# Altium PCB drive.PcbDoc
Units mm, origin at the board's own origin, x right, y up, seen from the top; angles counter-clockwise.
Board outline 29.8 x 29.12 mm, 2 copper layers (Top Layer, Bottom Layer); 65 components, 58 nets, 255 pads, 112 vias.
Unrouted connection lines stored in the file: 5.
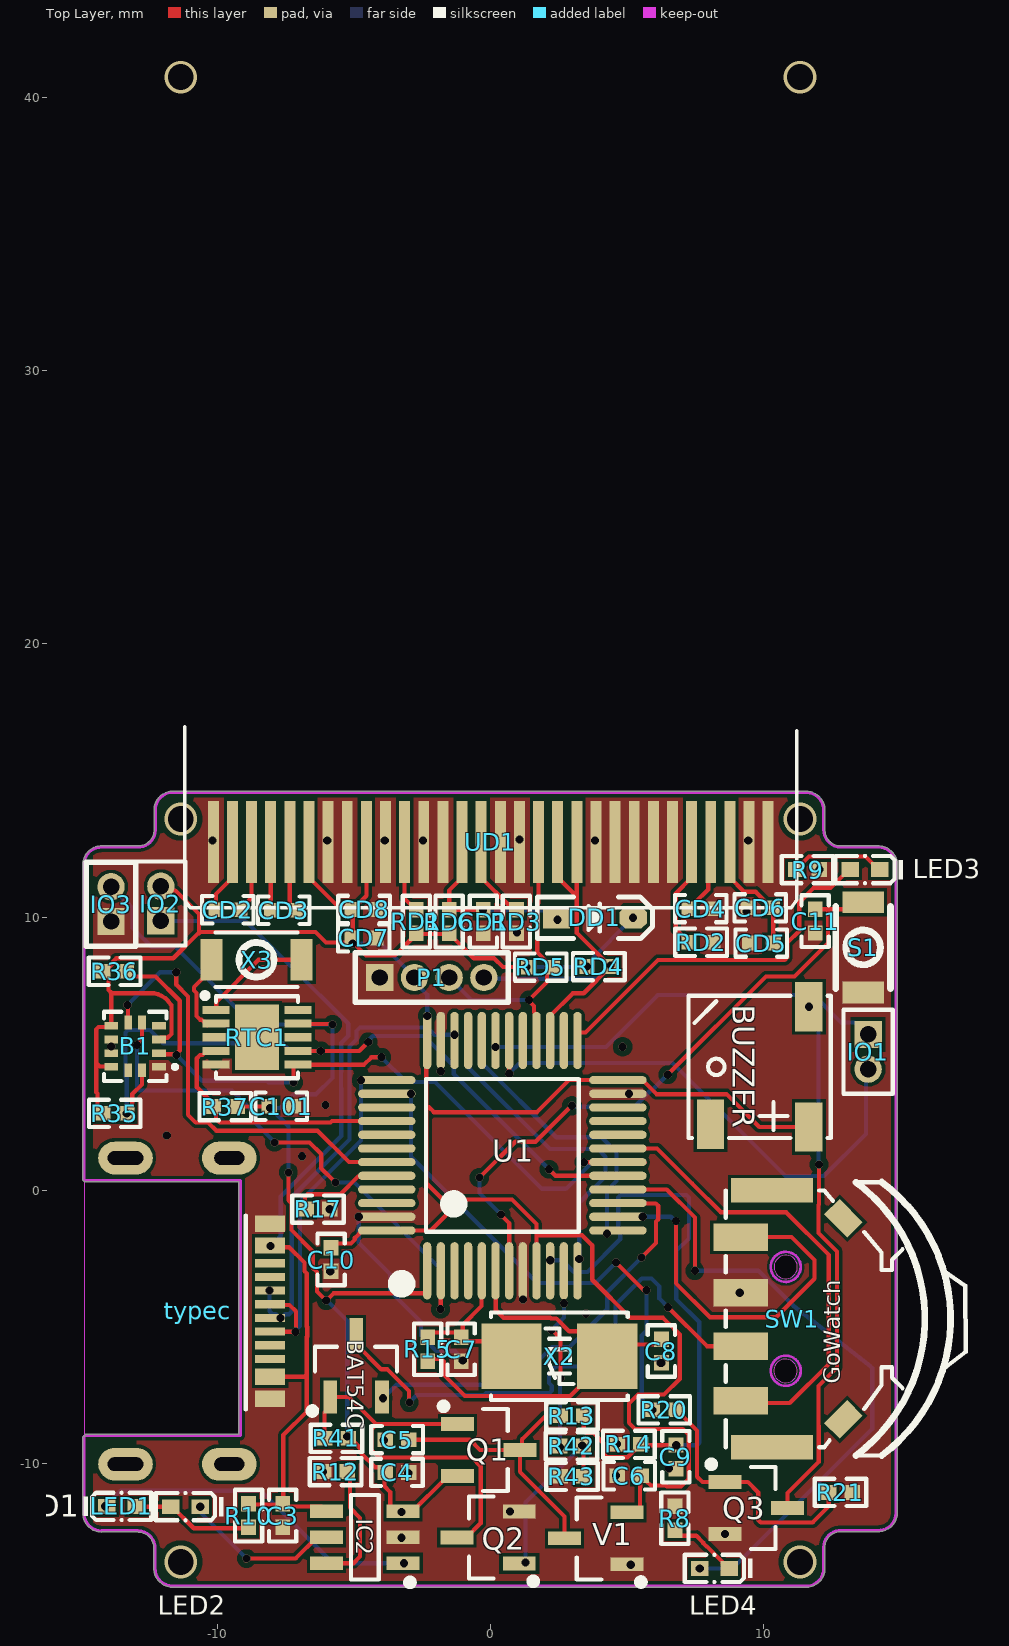
[diagram p0: Top Layer view]
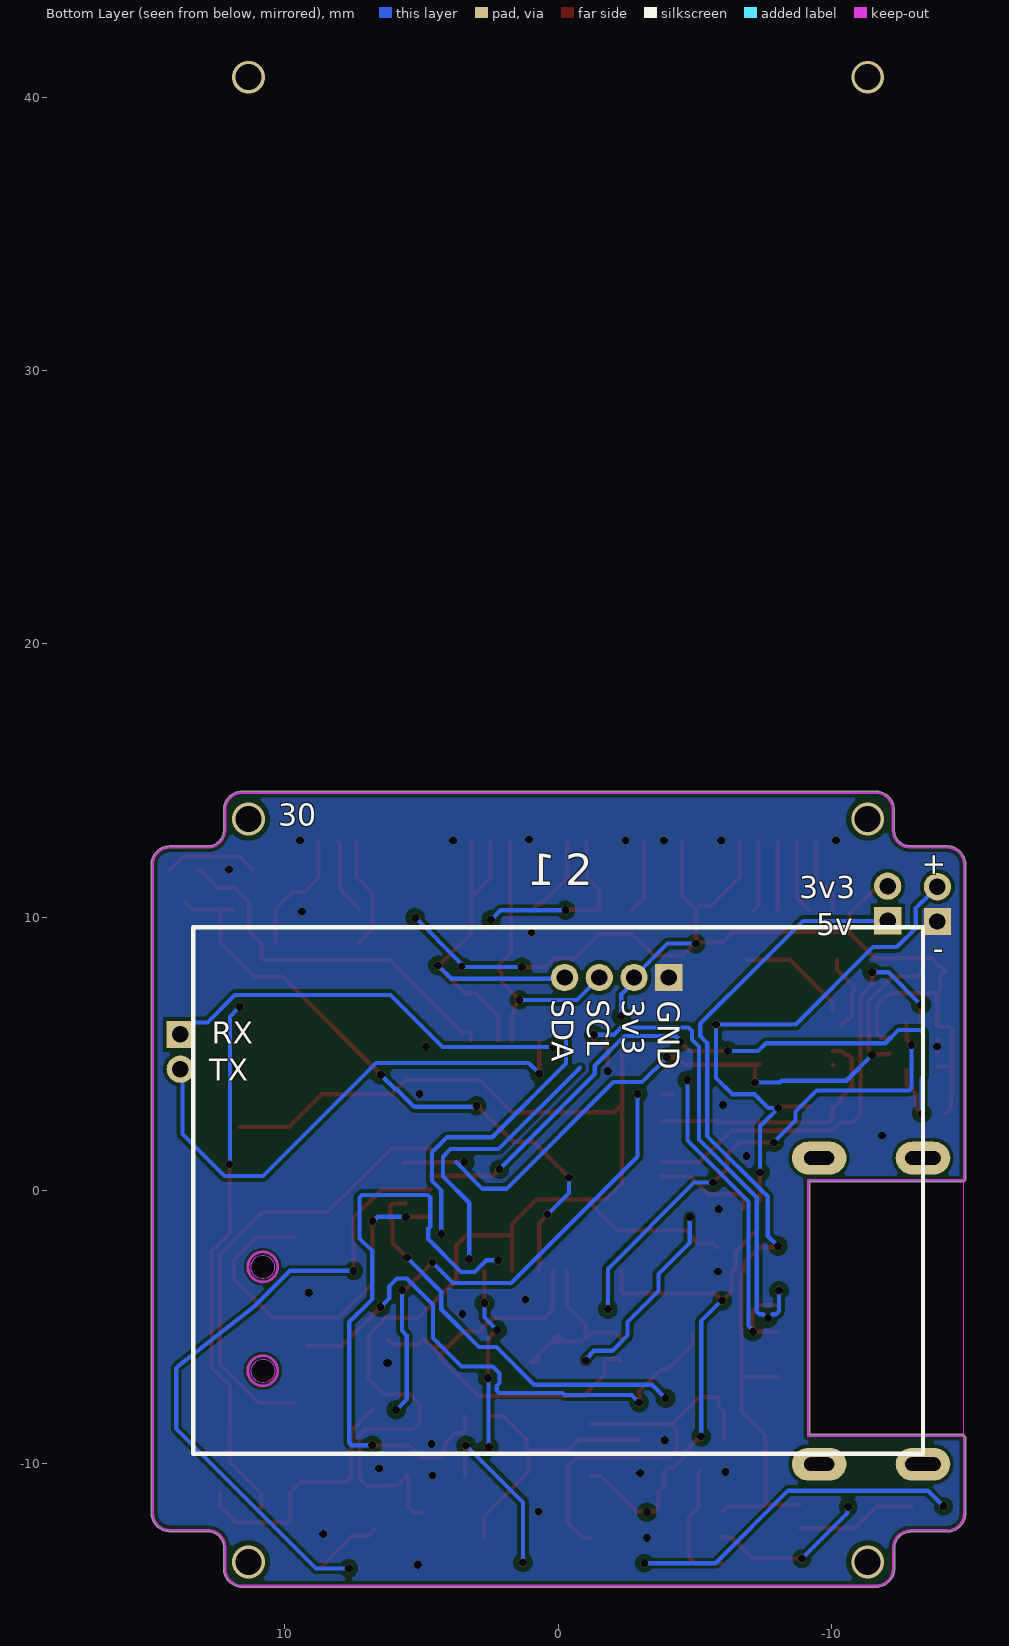
[diagram p1: Bottom Layer view, seen from below]

## Layer stack, top to bottom
Top Solder: solder mask 0.0102, Solder Resist, Dk 3.5
Top Layer: signal copper 0.0356
Dielectric 1: dielectric 0.32, FR-4, Dk 4.8
Bottom Layer: signal copper 0.0356
Bottom Solder: solder mask 0.0102, Solder Resist, Dk 3.5

## Board outline
-14.245,-12.497 ccw(c-14.244,-12.446) -14.23,-12.495 ccw(c-14.223,-12.445) -14.223,-12.495 -12.904,-12.495 ccw(c-12.904,-12.445) -12.899,-12.495 ccw(c-12.886,-12.446) -12.887,-12.497 cw(c-12.901,-13.081) -12.316,-13.081 cw(c-12.883,-13.082) -12.316,-13.095 ccw(c-12.266,-13.096) -12.314,-13.11 -12.314,-13.807 ccw(c-12.265,-13.814) -12.315,-13.813 ccw(c-11.63,-13.829) -11.655,-14.514 ccw(c-11.644,-14.465) -11.644,-14.515 11.524,-14.515 ccw(c11.537,-14.466) 11.536,-14.517 ccw(c11.552,-13.831) 12.237,-13.848 ccw(c12.177,-13.846) 12.237,-13.846 ccw(c12.187,-13.846) 12.236,-13.833 ccw(c12.186,-13.825) 12.236,-13.825 12.236,-13.069 ccw(c12.186,-13.069) 12.234,-13.054 cw(c12.819,-13.068) 12.807,-12.483 ccw(c12.82,-12.435) 12.82,-12.485 14.219,-12.485 ccw(c14.219,-12.435) 14.235,-12.483 ccw(c14.198,-11.798) 14.882,-11.835 ccw(c14.834,-11.819) 14.885,-11.819 14.885,11.897 ccw(c14.835,11.904) 14.885,11.903 ccw(c14.205,11.919) 14.885,11.919 ccw(c14.2,11.919) 14.227,12.604 ccw(c14.215,12.555) 14.215,12.606 12.806,12.606 ccw(c12.806,12.555) 12.793,12.604 cw(c12.822,13.188) 12.237,13.202 ccw(c12.177,13.203) 12.237,13.203 ccw(c12.187,13.203) 12.237,13.211 12.237,13.925 ccw(c12.186,13.925) 12.236,13.934 ccw(c11.55,13.92) 11.566,14.605 ccw(c11.565,14.553) 11.563,14.605 ccw(c11.556,14.555) 11.556,14.606 -11.604,14.606 cw(c-11.603,14.603) -11.603,14.606 -11.604,14.606 ccw(c-11.619,13.92) -12.304,13.936 ccw(c-12.254,13.935) -12.304,13.93 ccw(c-12.254,13.925) -12.304,13.925 -12.304,13.192 ccw(c-12.254,13.192) -12.303,13.18 ccw(c-12.261,13.177) -12.303,13.178 cw(c-12.888,13.192) -12.902,12.607 ccw(c-12.903,12.557) -12.916,12.606 -14.214,12.606 ccw(c-14.214,12.559) -14.217,12.606 ccw(c-14.229,11.92) -14.914,11.936 ccw(c-14.864,11.935) -14.912,11.919 ccw(c-14.863,11.906) -14.914,11.906 -14.914,0.398 ccw(c-14.863,0.398) -14.878,0.35 ccw(c-14.83,0.365) -14.83,0.315 -9.205,0.315 -9.205,-8.925 -14.795,-8.925 ccw(c-14.795,-8.975) -14.839,-9 ccw(c-14.864,-9.044) -14.914,-9.044 -14.914,-11.796 cw(c-14.319,-11.809) -14.914,-11.795 -14.914,-11.796 ccw(c-14.229,-11.811)
cut-out: -14.837,-8.975 -14.837,0.365 -9.113,0.365 -9.113,-8.975

## Design rules (kind name [scope] priority, off if disabled: settings)
Clearance [All] p1: gap=0.127 ignorepadtopadclearanceinfootprint=FALSE except(0.15: Arc-Arc Arc-Track Track-Track; 0.2: Arc-Via Track-Via SMDPad-Via THPad-Via Via-Fill Via-Poly Via-Region; 0.4: Via-Via)
PolygonConnect [All] p1: connectstyle=Direct reliefconductorwidth=0.254 reliefentries=4 polygonreliefangle="90 Angle" airgapwidth=0.254
RoutingVias [All] p1: holewidth=0.4 width=1 viastyle="Through Hole" minholewidth=0.3 minwidth=0.6 maxholewidth=0.711 maxwidth=1.27
SolderMaskExpansion [All] p1: expansion=0.102 istentingtop=FALSE
Width [All] p1: maxlimit=3 minlimit=0.127 preferedwidth=0.154 minimp=50.000000 maximp=50.000000 favimp=50.000000
30 further rules are at their usual default settings.

## Components (designator, comment, footprint, x,y, rotation, side; value= is the part's Value field where it differs from the comment)
B1 "BMA423" LGA-12(2x2)-2 -12.885,5.402 r90 top locked
BAT54C "BAT54C" SOT23-3N -4.915,-6.418 r0 top
BUZZER "Beep-5020" 5020BUZZER 9.85,4.57 r0 top locked
C3 "105" C0402-min -7.6,-11.95 r90 top
C4 "105" C0402-min -3.365,-10.318 r180 top
C5 "104" C0402-min -3.468,-9.118 r0 top
C6 "104" C0402-min 5.025,-10.438 r0 top
C7 "20PF" C0402-min -1.069,-5.864 r90 top
C8 "20PF" C0402-min 6.255,-5.928 r90 top
C9 "104" C0402-min 6.785,-9.798 r90 top
C10 "104" C0402-min -5.83,-2.58 r90 top
C11 "104" C0402-min 11.88,9.8 r90 top
C101 "104" C0402-min -7.6,3.08 r180 top
CD1 "106" C0402-min -0.26,9.89 r270 top
CD2 "105" C0402-min -9.66,10.27 r0 top locked
CD3 "105" C0402-min -7.613,10.25 r0 top locked
CD4 "225" C0402-min 7.75,10.31 r180 top
CD5 "225" C0402-min 9.86,9.05 r0 top
CD6 "105" C0402-min 9.82,10.34 r0 top
CD7 "105" C0402-min -4.58,9.24 r180 top
CD8 "225" C0402-min -4.571,10.28 r180 top
DD1 "1N4148" SOD-323 3.82,9.98 r0 top
IC2 "TP4057" SOT23-6N -4.595,-12.688 r90 top
IO1 "串口" MHDR1X2 13.817,5.708 r270 top
IO2 "5v与3.3v相联" MHDR1X2 -12.06,9.863 r90 top
IO3 "电池" MHDR1X2 -13.88,9.84 r90 top
LED1 "红色" LED0402 -13.65,-11.56 r180 top locked
LED2 "绿色" LED0402 -11,-11.57 r0 top
LED3 "RED" LED0402 13.86,11.74 r0 top
LED4 "BLUE" LED0402 8.35,-13.83 r0 top
P1 "MHDR1X4" MHDR1X4 -4.05,7.79 r0 top
Q1 "AO3401" SOT23-3N -0.065,-9.498 r270 top
Q2 "9014" SOT23-3N -0.085,-12.698 r90 top
Q3 "SS8050" SOT23-3N 9.73,-11.62 r270 top
R8 "1K" R0402 6.75,-12.045 r90 top
R9 "1K" R0402 11.55,11.74 r0 top
R10 "1K" R0402 -8.85,-11.95 r90 top
R12 "10K" R0402 -5.715,-10.288 r0 top
R13 "10K" R0402 3.035,-8.248 r180 top
R14 "10K" R0402 5.015,-9.288 r0 top
R15 "1M" R0402 -2.295,-5.864 r90 top
R17 "10K" R0402 -6.36,-0.68 r0 top
R20 "1K" R0402 6.305,-8.028 r0 top
R21 "10K" R0402 12.859,-11.05 r180 top
R35 "4.7K" R0402 -13.69,2.82 r180 top
R36 "4.7K" R0402 -13.7,8.02 r180 top
R37 "10K" R0402 -9.65,3.07 r180 top
R41 "220K" R0402 -5.685,-9.068 r0 top
R42 "4.7K" R0402 2.915,-9.348 r0 top
R43 "220K" R0402 3.035,-10.458 r180 top
RD1 "4.7K" R0402 -2.71,9.786 r90 top
RD2 "560K" R0402 7.76,9.08 r180 top
RD3 "4.7K" R0402 0.95,9.89 r270 top
RD4 "4.7K" R0402 3.916,8.19 r0 top
RD5 "4.7K" R0402 1.786,8.17 r0 top
RD6 "4.7K" R0402 -1.51,9.786 r90 top
RTC1 "PCF8563BS" HVSON-10-EP(3x3) -8.765,5.702 r270 top locked
S1 "SW-PB" switch-2x3 13.59,8.91 r270 top
SW1 "TM-2024A" LUNBO-min-out 12.268,-4.5 r270 top locked
typec "typec-16p-new" type-c-16p-new -11.648,-4.542 r270 top locked
U1 "STM32F103C8" "LQFP48 7X7_M" 0.436,1.285 r0 top locked
UD1 "1.3寸OLED，FPC线30pin" 0.96OLED -16.489,11.846 r0 bottom locked
V1 "XC6206P332MR" SOT23-3N 3.855,-12.728 r90 top
X2 "8Mhz" "OSC 5032-2P" 2.525,-6.065 r180 top locked
X3 "32.768KHZ" SMD3215-2P -8.595,8.412 r0 top locked

## Footprints (in the part's own frame and the unit in brackets; to place one, negate y for a bottom-side part, rotate by r counter-clockwise, add the part's x,y. Pads: shape width x height; smd on the part's side, far side on the other; paste and mask are expansions set on the pad)
0.96OLED [mm]
  rect 0.4x3 smd far side: 1(6.35,-0.9) 2(7.05,-0.9) 3(7.75,-0.9) 4(8.45,-0.9) 5(9.15,-0.9) 6(9.85,-0.9) 7(10.55,-0.9) 8(11.25,-0.9) 9(11.95,-0.9) 10(12.65,-0.9) 11(13.35,-0.9) 12(14.05,-0.9) 13(14.75,-0.9) 14(15.45,-0.9) 15(16.15,-0.9) 16(16.85,-0.9) 17(17.55,-0.9) 18(18.25,-0.9) 19(18.95,-0.9) 20(19.65,-0.9) 21(20.35,-0.9) 22(21.05,-0.9) 23(21.75,-0.9) 24(22.45,-0.9) 25(23.15,-0.9) 26(23.85,-0.9) 27(24.55,-0.9) 28(25.25,-0.9) 29(25.95,-0.9) 30(26.65,-0.9)
5020BUZZER [mm]
  rect 1x1.8 smd: 1(1.8,-2.25) 2(1.8,2.152) 3(-1.8,-2.151)
  silkscreen extent -2.6,-2.65 2.6,2.55, body extent -2.6,-2.7 2.6,2.5, height 2
C0402-min [mm]
  rect 0.566x0.54 smd paste-100 mask+0.051: 1(-0.381,0) 2(0.485,0)
  silkscreen extent -0.89,-0.5 1,0.5
HVSON-10-EP(3x3) [mm] "PCF8563BS"
  rect 0.3x1 smd paste+0 mask+0.05: 1(-0.9,-1.273) 2(-0.4,-1.273) 3(0.1,-1.273) 4(0.6,-1.273) 5(1.1,-1.273) 6(1.1,1.727) 7(0.6,1.727) 8(0.1,1.727) 9(-0.4,1.727) 10(-0.9,1.727)
  rect 2.4x1.6 smd paste+0 mask+0.05: 11(0.1,0.227)
  silkscreen extent -1.52,-1.78 1.6,1.73
LED0402 [mm]
  rect 0.636x0.54 smd paste-100 mask+0.051: 1(-0.695,0) 2(0.381,0)
  silkscreen extent -1.24,-0.54 1.23,0.54
LGA-12(2x2)-2 [mm] "BMA423"
  rect 0.28x0.5 smd: 1(-0.881,-0.762) 2(-0.381,-0.762) 3(0.119,-0.762) 4(0.619,-0.762) 7(0.619,0.988) 8(0.119,0.988) 9(-0.381,0.988) 10(-0.881,0.988)
  rect 0.5x0.28 smd: 5(0.744,-0.137) 6(0.744,0.363) 11(-1.006,0.363) 12(-1.006,-0.137)
  silkscreen extent -1.4,-1.42 1.14,1.26
"LQFP48 7X7_M" [mm]
  oval 0.3x2.1 smd: 1(-2.75,-4.227) 2(-2.25,-4.227) 3(-1.75,-4.227) 4(-1.25,-4.227) 5(-0.75,-4.227) 6(-0.25,-4.227) 7(0.25,-4.227) 8(0.75,-4.227) 9(1.25,-4.227) 10(1.75,-4.227) 11(2.25,-4.227) 12(2.75,-4.227) 25(2.75,4.202) 26(2.25,4.202) 27(1.75,4.202) 28(1.25,4.202) 29(0.75,4.202) 30(0.25,4.202) 31(-0.25,4.202) 32(-0.75,4.202) 33(-1.25,4.202) 34(-1.75,4.202) 35(-2.25,4.202) 36(-2.75,4.202)
  oval 2.1x0.3 smd: 13(4.227,-2.75) 14(4.227,-2.25) 15(4.227,-1.75) 16(4.227,-1.25) 17(4.227,-0.75) 18(4.227,-0.25) 19(4.227,0.25) 20(4.227,0.75) 21(4.227,1.25) 22(4.227,1.75) 23(4.227,2.25) 24(4.227,2.75) 37(-4.227,2.75) 38(-4.227,2.25) 39(-4.227,1.75) 40(-4.227,1.25) 41(-4.227,0.75) 42(-4.227,0.25) 43(-4.227,-0.25) 44(-4.227,-0.75) 45(-4.227,-1.25) 46(-4.227,-1.75) 47(-4.227,-2.25) 48(-4.227,-2.75)
  silkscreen extent -3.93,-4.95 2.79,2.79, body extent -4.5,-4.5 4.5,4.5, height 1.45
LUNBO-min-out [mm]
  rect 1x2 smd: 1(-2.788,-3.115) 2(3.197,-3.115) 3(-0.762,-3.115) 4(1.197,-3.115)
  rect 0.9x3 smd: 5(-4.503,-1.964) 6(4.897,-1.964)
  rect 1.2x0.8 smd rot 45: 7(-3.483,0.646)
  rect 1.2x0.8 smd rot 135: 8(3.877,0.646)
  Keep-Out Layer board cut-out: 2.529,-1.44 2.455,-1.23 2.286,-1.086 2.068,-1.045 1.858,-1.119 1.714,-1.288 1.673,-1.507 1.673,-1.507 1.747,-1.717 1.916,-1.861 2.135,-1.902 2.344,-1.827 2.489,-1.658 2.529,-1.44
  Keep-Out Layer board cut-out: -1.274,-1.43 -1.348,-1.22 -1.517,-1.076 -1.736,-1.035 -1.945,-1.109 -2.09,-1.278 -2.13,-1.497 -2.13,-1.497 -2.056,-1.706 -1.887,-1.851 -1.669,-1.891 -1.459,-1.817 -1.315,-1.648 -1.274,-1.43
  Keep-Out Layer circle w0.1: c-1.703,-1.464 r0.55
  Keep-Out Layer circle w0.1: c2.097,-1.464 r0.55
  Keep-Out Layer circle w0.025: c-1.703,-1.464 r0.55
  Keep-Out Layer circle w0.025: c2.097,-1.464 r0.55
  silkscreen extent -4.8,-3.66 5.2,5.12
MHDR1X2 [mm] "Connector; Header; 2 Position"
  rect 1x1 hole 0.6: 1(0,0)
  round 1 hole 0.6: 2(1.27,0)
  silkscreen extent -0.9,-0.9 2.17,0.9
MHDR1X4 [mm] "Connector; Header; 4 Position"
  rect 1x1 hole 0.6: 1(0,0)
  round 1 hole 0.6: 2(1.27,0) 3(2.54,0) 4(3.81,0)
  silkscreen extent -0.9,-0.9 4.71,0.9
"OSC 5032-2P" [mm]
  rect 2.2x2.4 smd: 1(-1.75,0) 2(1.75,0)
  silkscreen extent -2.5,-1.6 2.5,1.6, body extent -2.5,-1.6 2.5,1.6, height 0.86
R0402 [mm]
  rect 0.566x0.54 smd paste-100 mask+0.051: 1(-0.381,0) 2(0.485,0)
  silkscreen extent -0.89,-0.5 1,0.5
SMD3215-2P [mm]
  rect 0.8x1.524 smd: 1(-1.613,0.026) 2(1.688,0.026)
  silkscreen extent -1.46,-0.97 1.54,1.03
SOD-323 [mm] "1N4148"
  rect 1x0.8 smd: 1(-1.4,0)
  oct 1x0.8 smd: 2(1.4,0)
  silkscreen extent -2.11,-0.76 2.11,0.76, body extent -1.34,-0.63 1.31,0.67, height 1
SOT23-3N [mm]
  rect 0.5x1.2 smd: 1(-0.95,-1.143) 2(0.95,-1.143) 3(0,1.143)
  silkscreen extent -1.72,-1.78 1.5,0.7, body extent -1.5,-1.2 1.5,1.2, height 1.05
SOT23-6N [mm]
  rect 0.5x1.2 smd: 1(-0.95,-1.4) 2(0,-1.4) 3(0.95,-1.4) 4(0.95,1.4) 5(0,1.4) 6(-0.95,1.4)
  silkscreen extent -1.78,-1.78 1.55,0.51, body extent -1.5,-1.4 1.5,1.4, height 1.15
switch-2x3 [mm]
  rect 0.8x1.524 smd: 1(-1.632,0.044) 2(1.669,0.044)
  silkscreen extent -1.48,-0.96 1.52,1.04
type-c-16p-new [mm]
  rect 0.6x1.1 smd paste-100 mask+0.05: 1(-3.327,3.59) 2(-2.527,3.59) 11(2.273,3.59) 12(3.073,3.59)
  rect 0.3x1.1 smd paste-100 mask+0.05: 3(-1.877,3.59) 4(-1.377,3.59) 5(-0.877,3.59) 6(-0.377,3.59) 7(0.123,3.59) 8(0.623,3.59) 9(1.123,3.59) 10(1.623,3.59)
  oval 1.2x2 hole 0.5 slot 1.1 at 90 deg: 13(-5.727,2.097) 14(5.473,2.097)
  oval 1.2x2 hole 0.5 slot 1.3 at 90 deg: 15(-5.727,-1.703) 16(5.473,-1.703)
  silkscreen extent -3.63,2.7 3.47,2.7, body extent -5.83,-3.5 5.57,3.05, height 1.59

## Part data
BAT54C: "双肖特基，共阴极"
BUZZER: "贴片蜂鸣器5020最小封装"
C3 C4 C5 C6 C7 C8 C9 C10 C11 C101 CD1 CD2 CD3 CD4 CD5 CD6 CD7 CD8: library part C, "无极性贴片电容", BOM名称=无极性贴片电容, 学习资源=www.ooocke.com, 版权归属=源创客
  C5 C6 C7 C8 C9 C10 C11 C101 CD1 CD2 CD3 CD4 CD5 CD6 CD7 CD8: 材质=X7R
DD1: "高速开关二极管", BOM名称=高速开关二极管, 学习资源=www.ooocke.com, 版权归属=源创客
IC2: library part TP4057/4059, "500mA/600mA锂电池充电管理IC"
IO1 IO2 IO3: library part "Header 2", "Header, 2-Pin", LatestRevisionDate=17-Jul-2002, LatestRevisionNote="Re-released for DXP Platform.", Publisher="Altium Limited"
LED1 LED2 LED3 LED4: library part LED-SMD, "贴片LED", BOM名称=贴片LED, 学习资源=www.ooocke.com, 版权归属=源创客
P1: "Header, 4-Pin", LatestRevisionDate=17-Jul-2002, LatestRevisionNote="Re-released for DXP Platform.", Publisher="Altium Limited"
Q1: library part SI2301, "P沟道场效应管", BOM名称=P沟道场效应管, 学习资源=www.ooocke.com, 版权归属=源创客
Q2: library part 9014-SMD, "低噪放大-NPN型", BOM名称=低噪放大-NPN型, 学习资源=www.ooocke.com, 属性="50V 0.1A 0.4W 150MHZ", 版权归属=源创客
Q3: library part 8050-SMD, "高频放大-NPN型", BOM名称=高频放大-NPN型, 学习资源=www.ooocke.com, 属性="40V 1.5A 1W 100MHZ", 版权归属=源创客
R8 R9 R10 R12 R13 R14 R15 R17 R20 R21 R35 R36 R37 R41 R42 R43 RD1 RD2 RD3 RD4 RD5 RD6: library part R, "贴片电阻", BOM名称=贴片电阻, 学习资源=www.ooocke.com, 版权归属=源创客
S1: "Switch", LatestRevisionDate=17-Jul-2002, LatestRevisionNote="Re-released for DXP Platform.", PackageDescription="Switch; 2 Leads", PackageReference=SPST-2, Published=24-Mar-1999, Publisher="Altium Limited"
SW1: library part lunbo-min, JLCPCB Part Class="Extended Part", LCSC Part Name=四脚两档拨轮开关TM-2024A, Manufacturer="XKB Connection(中国星坤)", Add into BOM=yes, Convert to PCB=yes, Datasheet=https://atta.szlcsc.com/upload/public/pdf/source/20211011/7A4DB3DC37E7D5823B6D92C66ED3191E.pdf, Device=TM-2024A, Manufacturer Part=TM-2024A, Supplier=LCSC, Supplier Footprint=SMD, Supplier Part=C561480, Symbol=TM-2024A
U1: "Flaah:64/RAM:20/IO:36", BOM名称=32位STM单片机, 学习资源=www.ooocke.com, 版权归属=源创客
V1: "低压差线性稳压芯片", BOM名称=低压差线性稳压芯片, 学习资源=www.ooocke.com, 版权归属=源创客
X2 X3: library part XTAL-2P, "2脚无源脚晶振", BOM名称=2脚无源脚晶振, 学习资源=www.ooocke.com, 版权归属=源创客, 负载电容=CL20pF

## Via types
v1: diameter 0.3, hole 0.3, Top Layer to Bottom Layer, 106 vias
v2: diameter 1.2, hole 0.95, Top Layer to Bottom Layer, 6 vias

## Nets (pads, with @x,y where several pads share a name; then routed paths per layer and width w, separated by ;. In a path a pad name is that pad's centre, name@x,y a point inside that pad or via, vN(x,y) a via of type N, cw(c..) or ccw(c..) an arc to the next point about the centre after c; other vN are vias at no path point)
+3.3V: B1.3 B1.7 B1.10 BUZZER.1 C6.2 C10.2 CD7.2 CD8.2 DD1.2 IO2.2 P1.2 R35.2 R36.2 RD1.1 RD4.1 RD5.1 RD6.1 U1.9 U1.24 U1.36 U1.48 UD1.6 UD1.9 V1.2 | length 98.6
  Top Layer w0.154: R35.2 -14.187,2.82 -14.38,3.013 -14.38,3.551 -14.425,3.596 -14.425,4.675 ; B1.10 -13.886,4.534 -14.285,4.534 -14.425,4.675 ; B1.3 -12.06,5.584 -11.811,5.584 -11.669,5.726 -11.669,6.767 -11.693,6.805 ccw(c-12.467,6.312) -12.299,7.214 ccw(c-12.467,6.312) -12.313,7.217 -13.853,7.217 -13.873,7.232 ; IO2.2 -11.898,10.971 -11.529,10.971 -10.666,10.108 -10.666,9.404 ; UD1.6 -6.639,11.446 -5.596,10.403 -5.179,10.403 CD8.2 ; C10.2 -5.675,-1.94 -5.102,-1.94 -4.961,-1.799 -4.961,-1.734 -4.691,-1.465 U1.48 -2.879,-1.465 -2.856,-1.442 U1.48@-2.851,-1.442 ; CD7.2 -5.035,9.27 -5.035,10.259 CD8.2 ; UD1.9 -4.539,10.784 -5.043,10.28 CD8.2 ; U1.48@-2.778,-1.465 -2.185,-1.465 -1.055,-0.335 ; RD1.1 RD1.1@-2.71,9.379 ; -2.345,4.304 -2.345,1.216 -2.341,1.211 -2.341,0.262 -1.744,-0.335 -1.055,-0.335 ; -2.345,4.339 -2.345,4.61 -2.341,4.614 -2.341,5.46 U1.36 ; -2.253,3.045 -2.071,2.864 1.704,2.864 2.876,4.035 5.564,4.035 6.076,3.523 8.634,3.523 9.837,2.32 BUZZER.1 ; RD6.1 -1.51,9.399 -1.53,9.379 RD1.1@-2.71,9.379 ; RD6.1@-1.496,9.379 -0.611,8.494 0.132,8.494 0.456,8.17 v1(1.325,8.17) ; U1.9 1.686,-1.638 ; V1.2 5.301,-11.778 5.474,-11.605 5.474,-10.859 5.485,-10.848 5.485,-10.45 C6.2@5.497,-10.438 ; C6.2 5.522,-10.438 5.715,-10.631 5.715,-10.644 5.869,-10.798 6.415,-10.798 6.45,-10.833 6.972,-10.833 7.259,-10.546 7.259,-8.946 7.037,-8.724 5.293,-8.724 5.072,-8.502 5.072,-7.793 5.396,-7.469 6.354,-7.469 6.925,-6.898 6.925,-5.273 6.729,-5.077 ; 6.729,-5.076 6.314,-4.661 5.118,-4.661 3.724,-3.267 3.724,-2.009 3.353,-1.638 1.686,-1.638 ; -14.425,4.675 -14.425,5.889 -14.335,5.979 -13.915,5.979 B1.7 -13.873,7.232 ; -13.873,7.232 -13.979,7.337 -13.979,7.827 -14.172,8.02 R36.2 -13.992,8.213 -13.896,8.213 -13.806,8.303 -13.806,8.374 -13.686,8.494 -11.603,8.494 -10.693,9.404 -10.666,9.404 ; -10.666,9.404 -10.616,9.454 -6.402,9.454 -6.018,9.07 -5.069,9.07 v1(-5.035,9.036) -4.998,9.036 -4.558,8.596 -3.493,8.596 -2.916,9.173 -2.903,9.173 -2.71,9.366 RD1.1@-2.71,9.379 ; -1.055,-0.335 0.792,-0.335 1.686,-1.229 1.686,-1.638
  Bottom Layer w0.154: v1@-5.05,9.02 v1(-5.035,9.036) -4.007,9.036 -2.78,7.809 P1.2 -2.78,7.632 -2.314,7.166 v1(-2.314,6.385) ; v1(1.325,8.17) 1.335,8.18 3.525,8.18 v1(3.535,8.19) 3.563,8.218 3.563,8.323 v1(5.22,9.98)
+5: C3.2 IC2.4 IO2.1 R10.2 typec.2 typec.11 | length 32.8
  Top Layer w0.154: R10.2@-8.85,-11.495 -7.63,-11.495 C3.2 ; typec.11 -6.806,-6.815 -6.717,-6.727 ; v1(-8.045,-2.034) -8,-2.078 -7.367,-2.078 -6.804,-2.641 -6.804,-2.955 -6.717,-3.042 -6.717,-4.979 -6.703,-4.993 -6.703,-5.347 -6.717,-5.361 -6.717,-6.727 ; IC2.4 -6.168,-11.565 -7.501,-11.565 C3.2 ; C3.2 -7.578,-11.443 -7.578,-8.953 -6.717,-8.092 -6.717,-6.727
  Bottom Layer w0.154: IO2.1 -8.963,9.863 -7.334,8.235 -5.201,6.101 -5.201,5.649 -5.456,5.394 -5.456,4.343 -5.463,4.336 -5.463,3.731 -5.456,3.725 -5.456,1.991 -7.671,-0.224 -7.671,-1.66 v1(-8.045,-2.034)
ACC_INT_1: B1.5 U1.2 | length 19.7
  Top Layer w0.154: v1(-12.927,5.32) -12.927,5.36 -12.748,5.538 B1.5 ; v1(-7.9,1.758) -6.622,1.758 -6.191,1.327 -6.191,0.805 v1(-5.672,0.285) ; v1(-1.825,-4.348) -1.82,-4.342 -1.82,-2.947 U1.2
  Bottom Layer w0.154: v1(-12.927,5.32) -12.927,3.75 -12.837,3.66 -9.452,3.66 -8.683,2.891 -8.683,2.555 -7.9,1.773 v1(-7.9,1.758) ; v1(-5.672,0.285) -4.978,0.285 -1.825,-2.868 v1(-1.825,-4.348)
ACC_INT_2: B1.6 U1.43 | length 16.3
  Top Layer w0.154: v1(-13.28,6.79) -13.264,6.774 -13.264,6.162 B1.6 ; v1(-11.496,7.984) -11.496,7.529 -11.061,7.094 -11.061,2.766 -10.784,2.489 -10.332,2.489 -10.028,2.185 -6.324,2.185 -5.174,1.035 U1.43
  Bottom Layer w0.154: v1(-13.28,6.79) -12.086,7.984 v1(-11.496,7.984)
ADC: C9.2 R13.1 R14.2 U1.10 | length 22.6
  Top Layer w0.154: R13.1 3.416,-8.783 3.506,-8.874 3.767,-8.874 4.147,-9.254 4.147,-9.642 4.266,-9.762 5.013,-9.762 5.487,-9.288 R14.2 ; R14.2@5.512,-9.288 5.548,-9.323 6.785,-9.323 v1(6.795,-9.323)
  Bottom Layer w0.154: v1(2.186,-2.555) 2.624,-2.555 3.05,-2.981 3.549,-2.981 4.746,-1.785 4.746,-1.389 4.673,-1.316 4.673,-0.259 4.764,-0.168 7.17,-0.168 7.26,-0.259 7.26,-1.756 6.795,-2.221 6.795,-3.969 7.64,-4.814 7.64,-9.233 7.55,-9.323 v1(6.795,-9.323)
beep: R20.1 U1.38 | length 18.6
  Top Layer w0.154: U1.38@-4.205,3.535 U1.38 ; v1(4.595,-2.634) 5.602,-3.641 5.704,-3.641 v1(5.713,-3.65)
  Bottom Layer w0.154: v1(-2.905,3.535) -2.905,1.231 1.11,-2.785 1.711,-3.385 3.843,-3.385 v1(4.595,-2.634) ; v1@5.688,-3.66 5.713,-3.686 5.713,-5.127 5.538,-5.302 5.538,-7.652 5.914,-8.028 v1(5.924,-8.028)
BOOT0: R17.1 U1.44 | length 3.8
  Top Layer w0.154: R17.1 -6.78,-0.641 -6.78,-0.232 -6.69,-0.142 -5.495,-0.142 -4.846,0.507 -3.819,0.507 U1.44
BOOT1: U1.20
ESP_RXD: U1.13 | length 10.2
  Bottom Layer w0.154: -0.291,5.489 -0.291,4.644 2.408,1.945 4.069,1.945 4.615,1.399 4.615,0.345 4.269,-0.001 v1(4.269,-1.587)
  other v1: 4.269,-1.587
ESP_TXD: U1.12 | length 10.5
  Bottom Layer w0.154: -0.795,4.485 2.179,1.512 3.932,1.512 4.211,1.232 4.211,0.512 3.247,-0.452 v1(3.247,-2.504)
GND: B1.1 B1.8 B1.9 C3.1 C4.1 C5.1 C6.1 C7.1 C8.1 C9.1 C10.1 C11.1 C101.1 CD1.2 CD4.1 CD5.1 CD6.1 CD7.1 CD8.1 IC2.2 IO3.1 P1.1 Q2.2 Q3.2 R8.2 R9.2 R12.1 R14.1 R17.2 R21.1 R43.2 RD2.1 RD3.2 RTC1.5 S1.2 SW1.3 typec.1 typec.12 U1.8 U1.23 U1.35 U1.47 UD1.1 UD1.7 UD1.8 UD1.10 UD1.12 UD1.13 UD1.16 UD1.17 UD1.21 UD1.22 UD1.23 UD1.24 UD1.25 UD1.29 UD1.30 V1.1 | length 9
  Top Layer w0.154: B1.8@-13.929,5.5 -13.894,5.5 B1.8 B1.9 ; RTC1.5@-10.078,4.579 -10.055,4.602 RTC1.5 ; v1(-1.818,4.363) -1.816,4.365 -1.816,5.487 U1.35@-1.786,5.517
  Bottom Layer w0.154: v1(-4.815,-0.965) -4.815,-1.918 -3.677,-3.056 -3.677,-3.681 -2.541,-4.818 -2.541,-5.309 -1.986,-5.864 -1.309,-5.864 -1.2,-5.973 -1.2,-5.993 -1.015,-6.178 v1(-1.015,-6.218)
  other v1: 5.135,-13.694 -3.251,-12.708 8.587,-12.57 0.715,-11.744 4.591,-10.435 -3.009,-10.34 -6.125,-10.294 6.538,-10.179 4.635,-9.274 -3.905,-9.138 6.226,-6.315 6.255,-6.309 3.499,-4.515 1.19,-3.99 9.124,-3.745 -5.859,-2.968 -5.88,-0.69 -6.895,1.25 -11.84,2.01 -6.03,3.13 5.065,3.535 -13.873,5.271 0.967,9.439 9.367,10.209 12.035,11.74 -10.169,12.805 -5.969,12.805 -3.869,12.805 -2.469,12.805 3.831,12.805 9.431,12.805 1.062,12.839
IO3: U1.32
IO4: U1.33
NetBAT54C_1: BAT54C.1 Q1.1 Q2.3 R41.1 | length 15.1
  Top Layer w0.154: R41.1 -6.066,-8.112 -5.865,-7.911 BAT54C.1 -5.174,-7.561 -4.187,-8.548 ; Q2.3 -0.878,-12.698 -0.354,-12.174 -0.354,-10.092 -0.676,-9.771 -4.075,-9.771 -4.353,-9.493 -4.353,-8.742 -4.158,-8.548 Q1.1
NetBUZZER_2: BUZZER.2 Q3.3 | length 19.5
  Top Layer w0.154: Q3.3 10.873,-11.067 12.008,-9.932 12.008,-8.608 12.003,-8.603 12.003,-7.157 12.684,-6.476 12.684,-2.234 12.003,-1.553 12.003,-0.536 12.02,-0.52 v1(12.02,0.95)
  Bottom Layer w0.154: v1(11.65,6.722) 12.004,6.369 12.004,0.966 v1(12.02,0.95)
NetCD1_1: CD1.1 DD1.1 RD6.2 UD1.14 | length 6.9
  Top Layer w0.154: UD1.14 -1.039,11.446 -1.51,10.975 -1.51,10.265 -1.504,10.271 -0.61,10.271 CD1.1 -0.26,10.26 v1(-0.27,10.25) ; DD1.1@2.32,9.98 DD1.1
  Bottom Layer w0.154: v1(-0.27,10.25) 2.1,10.25 v1(2.45,9.9)
NetCD2_1: CD2.1 UD1.2 | length 2.7
  Top Layer w0.154: CD2.1 -10.041,10.844 -9.439,11.446 UD1.2
NetCD2_2: CD2.2 UD1.3 | length 2.7
  Top Layer w0.154: CD2.2 -9.163,10.27 -8.97,10.463 -8.97,10.476 -8.739,10.706 UD1.3
NetCD3_1: CD3.1 UD1.4 | length 2.5
  Top Layer w0.154: UD1.4 -8.039,10.295 CD3.1
NetCD3_2: CD3.2 UD1.5 | length 2.6
  Top Layer w0.154: UD1.5 -7.339,10.448 -7.141,10.25 CD3.2
NetCD4_2: CD4.2 UD1.27 | length 2.8
  Top Layer w0.154: CD4.2 7.278,10.31 7.471,10.503 7.471,10.516 7.97,11.015 7.97,12.655 UD1.27
NetCD5_2: CD5.2 CD6.2 UD1.28 | length 4.6
  Top Layer w0.154: UD1.28 8.761,11.446 9.279,10.928 9.704,10.928 10.345,10.287 CD5.2
NetIC2_1: IC2.1 LED1.2 | length 12.3
  Bottom Layer w0.154: v1(-14.101,-11.557) -13.528,-10.984 -8.419,-10.984 -5.765,-13.638 v1(-3.165,-13.638)
NetIC2_5: IC2.5 LED2.2 | length 5.9
  Top Layer w0.154: v1(-8.923,-13.469) -7.126,-13.469 -6.345,-12.688 IC2.5
  Bottom Layer w0.154: v1(-10.619,-11.57) -10.591,-11.598 -10.591,-11.801 v1(-8.923,-13.469)
NetIC2_6: IC2.6 R12.2 | length 4.6
  Top Layer w0.154: IC2.6 -5.014,-13.638 -4.768,-13.392 -4.768,-11.979 -5.141,-11.606 -5.141,-10.377 R12.2
NetLED1_1: LED1.1 LED2.1 R10.1 | length 4.4
  Top Layer w0.154: LED1.1 -12.945,-11.57 LED2.1 -11.647,-11.57 -10.856,-12.361 R10.1@-8.85,-12.361
NetLED3_2: LED3.2 R9.1 | length 3.5
  Top Layer w0.154: R9.1 11.182,11.74 11.656,12.214 13.719,12.214 14.193,11.74 LED3.2
NetLED4_2: LED4.2 R8.1 | length 2.6
  Top Layer w0.154: R8.1 6.75,-12.438 6.943,-12.631 7.532,-12.631 7.783,-12.882 7.783,-12.904 7.903,-13.024 7.925,-13.024 8.49,-13.589 8.49,-13.637 8.683,-13.83 LED4.2
NetQ2_1: Q2.1 R42.2 R43.1 | length 6.3
  Top Layer w0.154: R42.2 3.408,-9.356 3.408,-10.449 R43.1
  Bottom Layer w0.154: v1(1.28,-13.61) 1.28,-11.411 v1(3.363,-9.328)
NetQ3_1: Q3.1 R20.2 R21.2 | length 9.6
  Top Layer w0.154: R20.2 6.802,-8.028 7.563,-8.788 7.563,-10.477 7.756,-10.67 Q3.1 9.418,-10.67 9.8,-11.052 9.8,-12.06 9.89,-12.15 11.79,-12.15 12.374,-11.566 R21.2
NetRD1_2: RD1.2 UD1.11 | length 2.7
  Top Layer w0.154: UD1.11 -3.139,10.686 -2.71,10.257 RD1.2@-2.71,10.245
NetRD2_2: RD2.2 UD1.26 | length 4.1
  Top Layer w0.154: RD2.2 7.263,9.08 6.779,9.564 6.779,10.864 7.361,11.446 UD1.26
NetRD3_1: RD3.1 UD1.15 | length 3.1
  Top Layer w0.154: UD1.15 -0.339,11.446 0.65,10.457 0.757,10.457 0.95,10.264 RD3.1@0.95,10.251
NetRTC1_1: RTC1.1 X3.2 | length 4.1
  Top Layer w0.154: RTC1.1 -10.028,6.613 -10.028,6.893 -8.483,8.438 X3.2
NetRTC1_2: RTC1.2 X3.1 | length 2.9
  Top Layer w0.154: RTC1.2@-10.36,6.04 -10.36,6.074 -10.461,6.175 -10.495,6.175 -10.568,6.248 -10.623,6.248 -10.757,6.383 -10.757,7.22 -10.847,7.31 -10.847,7.438 -10.208,8.076 X3.1
NRST: C11.2 S1.1 U1.7 | length 23.3
  Top Layer w0.154: v1(-0.404,0.469) 0.908,1.782 1.651,1.782 v1@2.955,3.085 ; v1(0.385,-0.885) 0.385,-0.897 0.686,-1.198 U1.7 ; v1(6.485,4.232) 10.079,7.826 11.128,7.826 12.354,9.052 12.354,10.285 ; C11.2 12.354,10.285 ; S1.1 13.377,10.285 12.354,10.285
  Bottom Layer w0.154: v1(-0.404,0.469) -0.404,-0.096 v1(0.385,-0.885) ; v1(2.984,3.099) 2.997,3.099 3.038,3.058 5.262,3.058 5.904,3.7 5.953,3.7 v1(6.485,4.232)
OSC32_IN: U1.3
OSC32_OUT: U1.4
OSC_IN: C7.2 R15.2 U1.5 X2.2 | length 9.7
  Top Layer w0.154: R15.2@-2.295,-5.393 -2.295,-5.391 -2.102,-5.198 -1.251,-5.198 C7.2 -1.012,-5.323 -1.012,-4.919 -0.323,-4.23 -0.323,-2.95 U1.5 ; C7.2@-1.012,-5.379 -1.012,-5.385 -0.876,-5.521 X2.2@-0.225,-5.521 ; X2.2@-0.225,-5.521 0.003,-5.293 X2.2@0.231,-5.521 ; X2.2@-0.225,-5.521 X2.2@0.231,-5.521 ; X2.2@-0.225,-5.521 X2.2@0.231,-5.521 ; X2.2@0.231,-5.521 X2.2 ; X2.2@0.231,-5.521 X2.2 ; X2.2@0.231,-5.521 X2.2 ; X2.2 1.005,-6.295 0.717,-6.295 0.717,-6.122 X2.2
OSC_OUT: C8.2 R15.1 U1.6 X2.1 | length 17.6
  Top Layer w0.154: R15.1@-2.295,-6.259 -2.205,-6.169 -1.791,-6.169 -1.701,-6.259 -1.701,-6.754 -0.937,-7.519 2.921,-7.519 X2.1@4.325,-6.115 ; U1.6 0.195,-2.95 0.195,-4.372 0.48,-4.657 2.187,-4.657 2.211,-4.681 2.412,-4.681 2.881,-5.15 3.46,-5.15 X2.1@4.019,-5.709 ; X2.1 4.275,-5.965 X2.1@4.019,-5.709 ; X2.1@4.325,-6.015 X2.1@4.631,-5.709 ; X2.1@4.019,-5.709 X2.1@4.631,-5.709 ; X2.1@4.631,-5.709 4.915,-5.425 5.13,-5.64 C8.2@6.062,-5.64 ; C8.2@6.062,-5.64 6.255,-5.447 C8.2 6.062,-5.636 C8.2@6.062,-5.64
PA6: LED4.1 U1.16 | length 23.7
  Top Layer w0.154: U1.16 6.452,0.035 7.48,-0.993 v1(7.48,-2.94)
  Bottom Layer w0.154: v1(7.48,-2.94) 9.802,-2.94 11.096,-4.234 11.103,-4.242 13.907,-6.439 13.966,-6.498 13.966,-8.724 8.86,-13.83 v1(7.655,-13.83)
PB12: LED3.1 U1.25 | length 13.6
  Top Layer w0.154: U1.25 3.186,5.71 3.253,5.778 3.477,5.778 6.129,8.43 10.766,8.43 10.856,8.52 10.856,9.05 11.299,9.493 11.299,10.545 11.825,11.071 12.447,11.071 13.116,11.74 13.13,11.74 LED3.1
PWR_ON: R42.1 U1.11 | length 6.6
  Top Layer w0.154: v1(2.235,-5.108) 2.247,-5.108 2.565,-5.425 v1(2.565,-6.868) ; U1.11 2.695,-2.95 U1.11@2.695,-3.922
  Bottom Layer w0.154: v1(2.235,-5.108) 2.69,-4.652 v1(2.69,-4.13) ; v1(2.534,-9.398) 2.55,-9.383 2.55,-6.883 v1(2.565,-6.868)
RTC_INT: R37.2 RTC1.4 U1.40 | length 9.7
  Top Layer w0.154: RTC1.4 -10.388,5.102 -10.534,4.956 -10.551,4.956 -10.623,4.956 -10.742,4.837 -10.742,3.774 -10.34,3.372 -10.34,3.263 -10.147,3.07 -10.038,3.07 -10.038,2.626 -9.902,2.489 -5.847,2.489 -5.801,2.535 U1.40
RX: IO1.1 U1.31 | length 15
  Bottom Layer w0.154: v1(0.186,5.251) 4.226,5.251 6.125,7.149 11.827,7.149 12.83,6.146 13.317,6.146 13.333,6.131 13.394,6.131 IO1.1
SCL2: B1.12 R35.1 RTC1.7 U1.17 | length 26.5
  Top Layer w0.154: v1(-13.309,2.82) -13.296,2.82 -13.103,3.013 -13.103,3.526 -12.748,3.881 B1.12 ; RTC1.7 -7.037,5.101 -6.207,5.101 v1(-6.206,5.1) ; v1@-6.169,5.101 -6.168,5.1 -4.8,5.1 v1(-4.47,5.43) ; v1(2.145,0.775) 2.385,0.535 U1.17
  Bottom Layer w0.154: v1(-13.309,2.82) -13.309,4.118 -13.354,4.163 -13.354,5.775 -13.264,5.865 -12.455,5.865 -11.973,5.383 -7.603,5.383 -7.32,5.1 v1(-6.206,5.1) ; v1(-4.47,5.43) -4.47,5.47 -4.397,5.543 -4.397,5.564 -4.307,5.654 -2.435,5.654 -1.341,4.561 -1.341,4.262 v1(2.145,0.775)
SCL_OLED: P1.3 RD5.2 U1.28 UD1.18 | length 11.2
  Top Layer w0.154: v1@1.41,6.93 1.59,6.751 1.59,6.522 1.686,6.426 U1.28 ; v1(1.41,6.97) 2.065,7.625 2.065,7.977 RD5.2@2.258,8.17 ; UD1.18 1.761,10.51 1.716,10.465 1.716,8.712 RD5.2@2.258,8.17 ; RD5.2@2.258,8.17 RD5.2 RD5.2@2.258,8.17
  Bottom Layer w0.154: P1.3 -0.69,6.97 v1(1.41,6.97)
SDA2: B1.2 R36.1 RTC1.6 U1.18 | length 26.4
  Top Layer w0.154: R36.1 -13.126,7.827 -12.254,7.827 -11.365,6.938 -11.365,5.119 -11.488,4.996 v1(-11.488,4.956) ; B1.2 -12.086,4.984 v1@-11.514,4.984 ; v1(-7.207,3.947) -7.207,4.529 -7.28,4.602 -7.388,4.602 -4.625,4.602 -4.358,4.87 v1(-3.98,4.87) ; v1(3.425,1.032) 3.426,1.034 4.661,1.034 U1.18 4.672,1.027 U1.18@5.643,1.027
  Bottom Layer w0.154: v1(-11.488,4.956) -10.546,4.014 -8.186,4.014 -8.119,3.947 v1(-7.207,3.947) ; v1(-3.98,4.87) -3.072,3.962 -2.021,3.962 1.882,0.058 2.758,0.058 3.734,1.035
SDA_OLED: P1.4 RD4.2 U1.27 UD1.19 UD1.20 | length 16
  Top Layer w0.154: U1.27 2.186,6.388 3.014,7.216 3.414,7.216 4.391,8.193 v1(4.391,8.229) 4.349,8.229 3.161,9.417 3.161,10.84 ; UD1.19 2.461,11.446 3.067,10.84 3.161,10.84 ; UD1.20 3.161,10.84
  Bottom Layer w0.154: P1.4 -0.193,7.743 3.905,7.743 v1(4.391,8.229)
SW1: SW1.2 U1.19 | length 16.6
  Top Layer w0.154: U1.19 6.094,1.535 7.388,0.241 8.429,-0.8 10.82,-0.8 12.38,-2.36 12.38,-6.35 10.95,-7.78 SW1.2@9.65,-7.78
SW2: BAT54C.3 SW1.4 | length 19.9
  Top Layer w0.154: BAT54C.3 -4.915,-5.625 -3.995,-6.545 -3.772,-6.545 -2.975,-7.342 -2.975,-7.751 v1(-2.966,-7.76) ; v1(6.497,-4.275) 7.919,-5.697 SW1.4
  Bottom Layer w0.154: v1(-2.966,-7.76) -2.694,-7.488 -0.235,-7.488 -0.159,-7.412 2.155,-7.412 2.246,-7.321 2.246,-7.152 2.138,-7.045 2.138,-6.691 2.388,-6.441 3.532,-6.441 4.577,-5.396 4.577,-4.182 5.536,-3.223 5.89,-3.223 6.179,-3.513 6.179,-3.957 v1(6.497,-4.275)
SW2-KEY: BAT54C.2 U1.15 | length 14.7
  Top Layer w0.154: v1(5.525,-2.458) 6.058,-1.925 6.058,-1.141 6.141,-1.058 6.141,-0.564 6.051,-0.473 5.584,-0.473 U1.15@5.579,-0.468
  Bottom Layer w0.154: v1(-3.933,-7.603) -3.438,-7.108 0.875,-7.108 2.256,-5.726 2.891,-5.726 4.273,-4.345 4.273,-3.71 v1(5.525,-2.458)
SW3: SW1.1 U1.14 | length 13.9
  Top Layer w0.154: U1.14 v1(5.575,-0.965) U1.14@5.599,-0.941 ; v1(6.79,-1.12) 6.79,-3.399 8.028,-4.638 10.452,-4.638 11.86,-3.23 11.86,-2.55 11.01,-1.7 SW1.1@9.66,-1.7
  Bottom Layer w0.154: v1(5.575,-0.965) 6.595,-0.965 6.75,-1.12 v1(6.79,-1.12)
SWCLK: typec.6 typec.8 U1.37 | length 12.9
  Top Layer w0.154: typec.8 -8.055,-5.168 -7.132,-5.168 v1(-7.13,-5.17) ; typec.6 -8.035,-4.188 -7.348,-4.188 -7.118,-4.419 -7.118,-5.145 -7.121,-5.149 -7.121,-5.166 v1@-7.118,-5.17 ; v1(-4.732,4.034) U1.37@-4.708,4.034
  Bottom Layer w0.154: v1(-7.13,-5.17) -7.13,-5.13 -6.963,-4.964 -6.963,-0.402 -4.732,1.83 -4.732,4.016 v1@-4.74,4.025
SWDIO: typec.5 typec.7 U1.34 | length 17
  Top Layer w0.154: U1.34 -1.314,5.676 v1(-1.314,5.695)
  Bottom Layer w0.154: v1(-8.083,-3.665) -8.083,-4.421 -7.976,-4.528 -7.856,-4.528 -7.72,-4.665 v1(-7.68,-4.665) ; v1@-7.68,-4.7 -7.675,-4.7 -7.504,-4.528 -7.365,-4.528 -7.267,-4.43 -7.267,-0.25 -5.152,1.865 -5.152,3.85 -5.159,3.857 -5.159,4.211 -5.152,4.217 -5.152,5.268 -4.897,5.523 -4.897,5.831 -4.77,5.958 -2.309,5.958 -2.046,5.695 v1(-1.314,5.695)
TX: IO1.2 U1.30 | length 19.2
  Top Layer w0.154: v1@0.685,4.273 U1.30@0.685,5.486
  Bottom Layer w0.154: v1(0.685,4.272) 1.072,4.659 6.662,4.659 10.798,0.523 12.197,0.523 13.74,2.066 13.74,4.36 IO1.2
Vbat+: C4.2 C101.2 IC2.3 IO3.2 Q1.2 R37.1 R41.2 RTC1.9 U1.1 | length 42
  Top Layer w0.154: R37.1 -9.264,3.075 -8.115,3.075 v1(-8.06,3.02) ; v1(-7.391,0.661) -7.391,-0.359 -7.28,-0.47 -7.28,-1.45 -6.5,-2.23 -6.5,-2.83 -6.342,-2.987 -6.342,-3.698 v1(-6.01,-4.03) -6.002,-4.03 -5.737,-3.765 -2.382,-3.765 -2.314,-3.697 U1.1 ; RTC1.9 -7.024,6.089 -5.792,6.089 v1(-5.779,6.075) ; R41.2@-5.164,-9.031 -4.707,-9.488 -4.707,-9.64 -4.222,-10.125 -4.056,-10.125 C4.2@-3.88,-10.301 ; C4.2 -3.867,-10.301 C4.2@-3.88,-10.301 ; Q1.2 -1.558,-10.448 -1.681,-10.571 -1.681,-10.574 -2.845,-11.738 IC2.3 -3.545,-11.738 -3.668,-11.615 -3.668,-11.033 -3.88,-10.822 C4.2@-3.88,-10.301
  Bottom Layer w0.154: IO3.2 -13.314,10.544 -13.296,10.544 -13.09,10.339 -13.09,9.604 -12.391,8.906 -11.526,8.906 -8.695,6.075 v1(-5.779,6.075) -5.779,4.118 -6.377,3.52 -7.19,3.52 -7.69,3.02 v1(-8.06,3.02) -7.391,2.351 v1(-7.391,0.661) ; v1(-6.01,-4.03) -5.982,-4.03 -5.236,-4.776 v1(-5.236,-9.001)
  other v1: -3.251,-11.769
Vbin: C5.2 Q1.3 R13.2 V1.3 | length 10.3
  Top Layer w0.154: C5.2@-2.951,-9.118 -0.758,-9.118 -0.378,-9.498 Q1.3 ; R13.2 2.01,-8.248 1.151,-9.107 1.151,-9.424 Q1.3 ; V1.3 2.712,-11.93 1.078,-10.296 Q1.3
pads on no net: B1.4 B1.11 BUZZER.3 RTC1.3 RTC1.8 RTC1.10 RTC1.11 SW1.5 SW1.6 SW1.7 SW1.8 typec.3 typec.4 typec.9 typec.10 typec.13 typec.14 typec.15 typec.16 U1.21 U1.22 U1.26 U1.29 U1.39 U1.41 U1.42 U1.45 U1.46
copper on no net:
  other v1: 4.835,5.255
  other v2: -11.33,-13.59 11.33,-13.59 -11.33,13.59 11.33,13.59 -11.33,40.73 11.33,40.73

## Polygon pours and split planes (outlines as drawn)
GND on Top Layer "GND_L01_P000" (solid, remove dead copper, pour order 0): -14.53,14.614 -14.53,-20.055 7.061,-20.055 23.864,-20.055 23.864,-6.306 23.864,-4.846 23.864,14.614
GND on Bottom Layer "GND_L02_P002" (solid, remove dead copper, pour order 2): -15.848,14.991 -15.848,-19.569 22.19,-19.569 23.62,-19.569 23.621,14.188 23.62,14.991

## Keep-outs
Keep-Out Layer:
  lines w0.1: -14.864,11.935 cw(c-14.229,11.92) -14.214,12.555 -12.891,12.555 ; -14.863,0.398 -14.863,9.02 -14.863,11.906 ; -14.837,-8.975 -14.864,-9.001 -14.864,-9.044 -14.864,-11.796 ccw(c-14.229,-11.811) -14.244,-12.446 ; -14.83,0.365 -9.155,0.365 ; -14.795,-8.975 -9.155,-8.975 -9.155,0.36 ; -14.223,-12.445 -12.904,-12.445 ; -12.903,12.557 ccw(c-12.888,13.192) -12.253,13.177 ; -12.886,-12.446 cw(c-12.901,-13.081) -12.266,-13.096 ; -12.264,-13.844 -12.264,-13.085 ; -12.265,-13.814 ccw(c-11.63,-13.829) -11.645,-14.464 ; -12.254,13.192 -12.254,13.925 ; -12.254,13.935 cw(c-11.619,13.92) -11.604,14.555 ; -11.644,-14.465 11.546,-14.465 ; -11.624,14.555 11.556,14.555 ; 11.537,-14.466 ccw(c11.552,-13.831) 12.187,-13.846 ; 11.565,14.555 cw(c11.55,13.92) 12.185,13.905 ; 12.184,-13.053 cw(c12.819,-13.068) 12.834,-12.433 ; 12.186,-13.825 12.186,-13.069 ; 12.186,13.175 12.186,13.925 ; 12.187,13.203 ccw(c12.822,13.188) 12.807,12.553 ; 12.806,12.555 14.215,12.555 ; 12.82,-12.435 14.219,-12.435 ; 14.183,-12.433 ccw(c14.198,-11.798) 14.833,-11.813 ; 14.215,12.554 cw(c14.2,11.919) 14.835,11.904 ; 14.834,-11.819 14.834,11.936

## Silkscreen, mask and mechanical layers (free items; w line width, h text height)
Top Overlay:
  text "GoWatch" at 12.806,-7.066 h0.6 r90
Bottom Overlay:
  lines w0.154: -13.35,-9.63 13.35,-9.63 13.35,9.63 -13.35,9.63 -13.35,-9.63
  text "+" at -13.417,12.38 h0.8 r90
  text "2" at -0.26,10.782 h2
  text "1" at 0.079,10.789 h2
  text "3v3" at -8.816,10.688 h0.8
  text "5v" at -9.45,9.34 h0.8
  text "-" at -14.11,8.45 h0.8
  text "3v3" at -2.346,6.999 h0.8 r90
  text "SCL" at -1.061,6.999 h0.8 r90
  text "SDA" at 0.239,6.999 h0.8 r90
  text "GND" at -3.64,6.94 h0.8 r90
  text "RX" at 12.677,5.359 h0.8
  text "TX" at 12.77,4.01 h0.8
Top Paste:
  lines w0.154: -10.55,-1.941 12.43,-1.941 ; 0.94,-12.904 0.94,9.046 ; 12.294,-12.928 -10.55,-12.928 -10.55,9.046 12.43,9.046 12.43,-12.928 ; 15.828,7.506 15.828,11.216
Bottom Paste:
  lines w0.1: -14.85,-14.499 14.85,-14.499 14.85,14.499 -14.85,14.499 -14.85,-14.499
  lines w0.254: -14.85,0 14.85,0 ; 0,-14.499 0,14.499
Mechanical 1:
  drawing of 169 lines, arcs and shapes, not listed

## Text inside footprints (layer, text, board x,y; h text height)
UD1: Bottom Overlay "30" at 10.23,13.34 h0.8